# Altium PCB PCB-ZB206B-0B.PcbDoc (part 1 of 7)
Units mm, origin at the board's own origin, x right, y up, seen from the top; angles counter-clockwise.
Board outline 366.51 x 137.86 mm, 2 copper layers (Top Layer, Bottom Layer); 583 components, 415 nets, 1779 pads, 4554 vias.
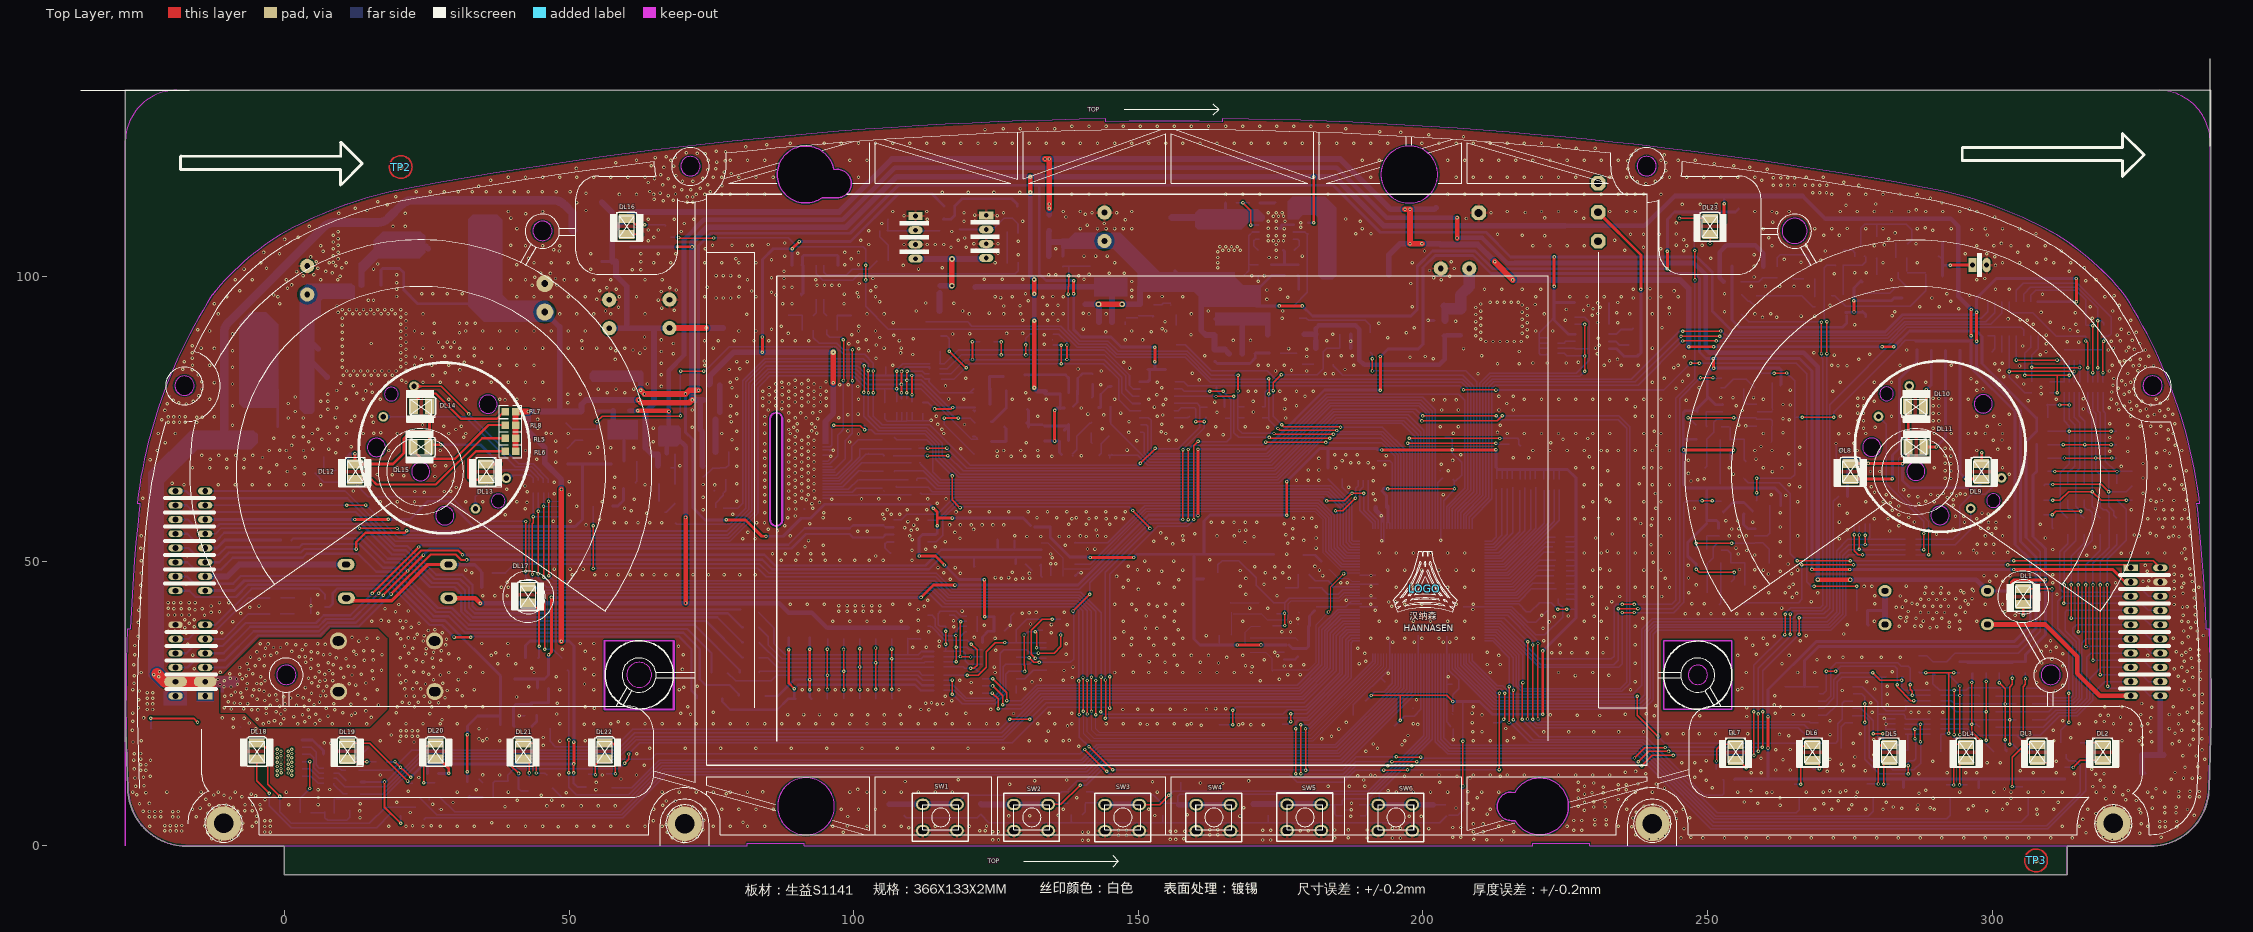
[diagram p0: Top Layer view]
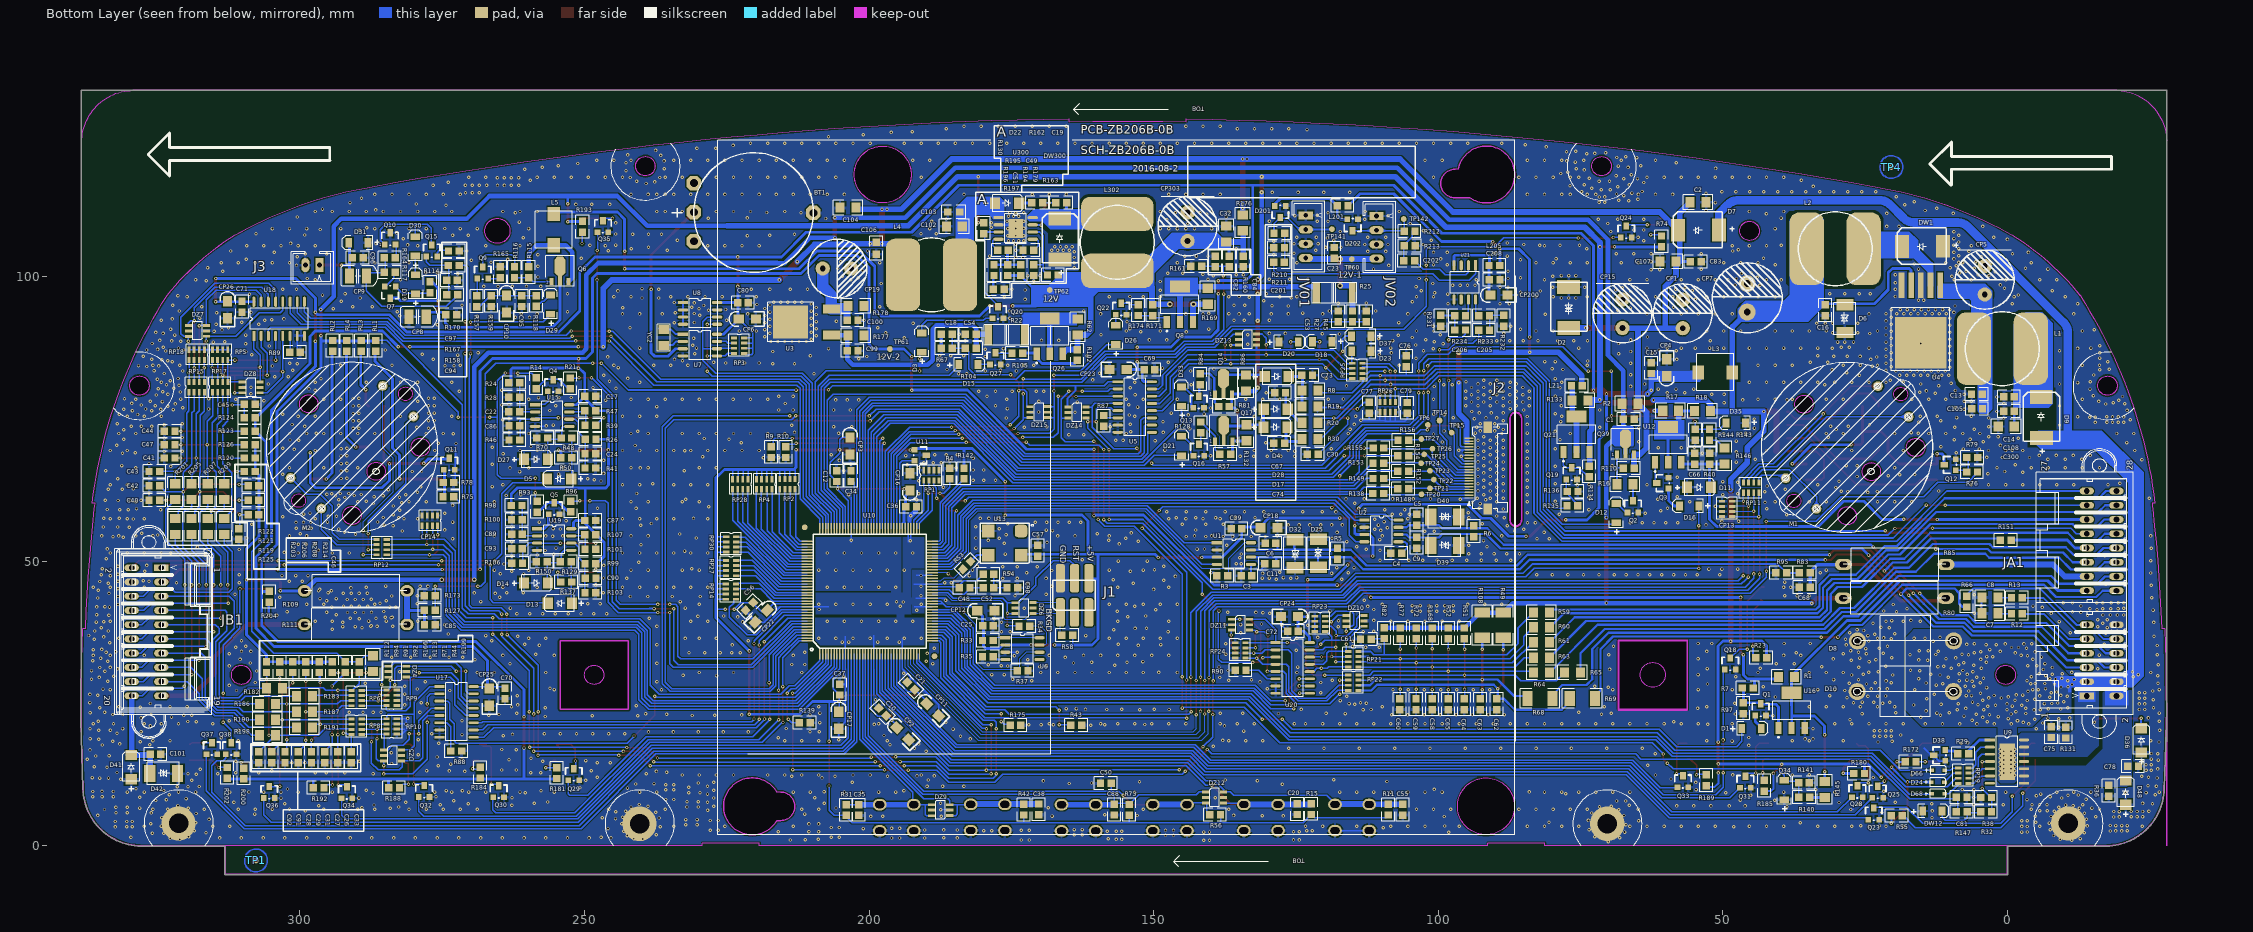
[diagram p1: Bottom Layer view, seen from below]

## Layer stack, top to bottom
Top Layer: signal copper 0.0356
Dielectric: dielectric 0.32, FR-4, Dk 4.8
Bottom Layer: signal copper 0.0356

## Board outline
-0.064,-5 -0.064,-0.064 -17.393,-0.064 cw(c-17.397,0) -17.398,-0.064 cw(c-17.223,10.269) -27.555,10.038 cw(c-27.491,10.045) -27.555,10.042 cw(c287.468,25.282) -27.886,20.433 -27.886,18.41 cw(c-27.95,18.41) -28.014,18.41 -28.014,132.737 cw(c-27.95,132.737) -27.95,132.8 338.32,132.8 cw(c338.32,132.737) 338.384,132.737 338.384,33.56 cw(c23.102,25.282) 338.493,25.282 cw(c23.102,25.282) 338.124,10.048 cw(c338.061,10.045) 338.124,10.045 cw(c338.061,10.045) 338.124,10.044 cw(c327.792,10.269) 327.967,-0.064 cw(c327.966,0) 327.963,-0.064 313.194,-0.064 313.194,-4.972 cw(c313.136,-5) 313.2,-5 cw(c313.136,-5) 313.136,-5.064 0.006,-5.064 cw(c0.006,-5) 0.003,-5.064 cw(c0,-5)
cut-out: 242.285,24.005 242.285,36 254.285,36 254.285,24
cut-out: 237.615,119.427 ccw(c239.315,119.427) 239.315,117.727 ccw(c239.315,119.427) 241.015,119.427 ccw(c239.315,119.427) 239.315,121.127 ccw(c239.315,119.427)
cut-out: 192.608,117.954 ccw(c197.608,117.954) 197.608,112.954 ccw(c197.608,117.954) 202.608,117.954 ccw(c197.608,117.954) 197.608,122.954 ccw(c197.608,117.954)
cut-out: 263.115,108.05 ccw(c265.315,108.05) 265.315,105.85 ccw(c265.315,108.05) 267.515,108.05 ccw(c265.315,108.05) 265.315,110.25 ccw(c265.315,108.05)
cut-out: 326.509,80.865 ccw(c328.209,80.865) 328.209,79.165 ccw(c328.209,80.865) 329.909,80.865 ccw(c328.209,80.865) 328.209,82.565 ccw(c328.209,80.865)
cut-out: 308.615,30.05 ccw(c310.315,30.05) 310.315,28.35 ccw(c310.315,30.05) 312.015,30.05 ccw(c310.315,30.05) 310.315,31.75 ccw(c310.315,30.05)
cut-out: 246.615,30.05 ccw(c248.315,30.05) 248.315,28.35 ccw(c248.315,30.05) 250.015,30.05 ccw(c248.315,30.05) 248.315,31.75 ccw(c248.315,30.05)
cut-out: 56.173,23.99 56.173,36 cw(c56.3,36) 56.307,36.127 cw(c56.315,36) 56.315,36.127 68.315,36.127 cw(c68.315,36) 68.393,36.101 cw(c68.33,35.99) 68.457,35.99 68.457,24.04 cw(c68.33,24.04) 68.44,23.976 cw(c68.315,24) 68.315,23.873 56.349,23.873 cw(c56.3,23.99)
cut-out: 215.565,4.454 cw(c215.565,6.954) 215.565,9.454 216.235,9.454 cw(c220.565,6.954) 216.235,4.454
cut-out: 86.608,6.954 ccw(c91.608,6.954) 91.608,1.954 ccw(c91.608,6.954) 96.608,6.954 ccw(c91.608,6.954) 91.608,11.954 ccw(c91.608,6.954)
cut-out: -1.386,30.05 ccw(c0.314,30.05) 0.314,28.35 ccw(c0.314,30.05) 2.014,30.05 ccw(c0.314,30.05) 0.314,31.75 ccw(c0.314,30.05)
cut-out: -19.28,80.865 ccw(c-17.58,80.865) -17.58,79.165 ccw(c-17.58,80.865) -15.88,80.865 ccw(c-17.58,80.865) -17.58,82.565 ccw(c-17.58,80.865)
cut-out: 69.615,119.427 ccw(c71.315,119.427) 71.315,117.727 ccw(c71.315,119.427) 73.015,119.427 ccw(c71.315,119.427) 71.315,121.127 ccw(c71.315,119.427)
cut-out: 43.615,108.05 ccw(c45.315,108.05) 45.315,106.35 ccw(c45.315,108.05) 47.015,108.05 ccw(c45.315,108.05) 45.315,109.75 ccw(c45.315,108.05)
cut-out: 94.448,113.869 cw(c91.565,117.954) 96.48,118.869 97.065,118.869 cw(c97.065,116.369) 97.065,113.869
cut-out: 22.311,65.761 ccw(c23.911,65.761) 23.911,64.161 ccw(c23.911,65.761) 25.511,65.761 ccw(c23.911,65.761) 23.911,67.361 ccw(c23.911,65.761)
cut-out: 26.553,57.997 ccw(c28.153,57.997) 28.153,56.397 ccw(c28.153,57.997) 29.753,57.997 ccw(c28.153,57.997) 28.153,59.597 ccw(c28.153,57.997)
cut-out: 36.339,60.605 ccw(c37.539,60.605) 37.539,59.405 ccw(c37.539,60.605) 38.739,60.605 ccw(c37.539,60.605) 37.539,61.805 ccw(c37.539,60.605)
cut-out: 14.547,70.004 ccw(c16.147,70.004) 16.147,68.404 ccw(c16.147,70.004) 17.747,70.004 ccw(c16.147,70.004) 16.147,71.604 ccw(c16.147,70.004)
cut-out: 17.558,79.386 ccw(c18.758,79.386) 18.758,78.186 ccw(c18.758,79.386) 19.958,79.386 ccw(c18.758,79.386) 18.758,80.586 ccw(c18.758,79.386)
cut-out: 34.155,77.605 ccw(c35.755,77.605) 35.755,76.005 ccw(c35.755,77.605) 37.355,77.605 ccw(c35.755,77.605) 35.755,79.205 ccw(c35.755,77.605)
cut-out: 85.243,57.26 85.243,75.17 cw(c85.37,75.17) 85.253,75.219 cw(c86.37,75.07) 87.487,75.22 cw(c87.37,75.17) 87.498,75.17 87.518,57.17 cw(c87.39,57.17) 87.518,57.17 cw(c87.39,57.17) 87.504,57.112 cw(c86.381,57.229) 85.253,57.21 cw(c85.37,57.26)
cut-out: 285.011,65.811 ccw(c286.611,65.811) 286.611,64.211 ccw(c286.611,65.811) 288.211,65.811 ccw(c286.611,65.811) 286.611,67.411 ccw(c286.611,65.811)
cut-out: 289.253,58.047 ccw(c290.853,58.047) 290.853,56.447 ccw(c290.853,58.047) 292.453,58.047 ccw(c290.853,58.047) 290.853,59.647 ccw(c290.853,58.047)
cut-out: 299.039,60.655 ccw(c300.239,60.655) 300.239,59.455 ccw(c300.239,60.655) 301.439,60.655 ccw(c300.239,60.655) 300.239,61.855 ccw(c300.239,60.655)
cut-out: 296.855,77.655 ccw(c298.455,77.655) 298.455,76.055 ccw(c298.455,77.655) 300.055,77.655 ccw(c298.455,77.655) 298.455,79.255 ccw(c298.455,77.655)
cut-out: 280.258,79.436 ccw(c281.458,79.436) 281.458,78.236 ccw(c281.458,79.436) 282.658,79.436 ccw(c281.458,79.436) 281.458,80.636 ccw(c281.458,79.436)
cut-out: 277.247,70.054 ccw(c278.847,70.054) 278.847,68.454 ccw(c278.847,70.054) 280.447,70.054 ccw(c278.847,70.054) 278.847,71.654 ccw(c278.847,70.054)

## Design rules (kind name [scope] priority, off if disabled: settings)
Clearance POWCOM [InComponent('L3','D9','L1','CP5','DW1','L2','CP7','L4','L302','CP303')] p1: gap=0.508
Clearance [All] p2: gap=0.25
FabricationTestPointUsage TestPointUsage [All] p1 off: valid=0 allowmultiple=FALSE
FabricationTestpoint Testpoint [(IsPad And (OnTopLayer Or OnBottomLayer))] p1: side=3 testpointundercomponent=TRUE minsize=1.016 maxsize=2.54 preferedsize=1.524 minholesize=0 maxholesize=1.016 preferedholesize=0.813 testpointgrid=0.025 allowsidetop=TRUE allowsidebottom=TRUE usegrid=TRUE gridtolerance=0
HoleSize [All] p1: absolutevalues=TRUE maxlimit=5 minlimit=0.254 maxpercent=80.000 minpercent=20.000
PlaneConnect [All] p1: planeconnectstyle=Direct reliefexpansion=0.508 reliefentries=4 reliefconductorwidth=0.254 reliefairgap=0.254
PolygonConnect PolygonConnect_1 [InComponent('U300','DW300','DW1','U4','JA1','JB1','CP7','U3','J1','J2','U9','D8','D10')OR InNet('OUT1') OR InNet('OUT2')OR InNet('+B')] p1: connectstyle=Direct reliefconductorwidth=0.254 reliefentries=4 polygonreliefangle="90 Angle"
PolygonConnect VIA [IsVia] p2: connectstyle=Direct reliefconductorwidth=0.4 reliefentries=4 polygonreliefangle="90 Angle"
PolygonConnect [All] p3: connectstyle=Relief reliefconductorwidth=0.5 reliefentries=4 polygonreliefangle="90 Angle"
RoutingVias [All] p1: holewidth=0.3 width=0.6 viastyle="Through Hole" minholewidth=0.3 minwidth=0.6 maxholewidth=0.6 maxwidth=1
SilkscreenOverComponentPads [IsPad] p1: minsilkscreentomaskgap=0.254
SolderMaskExpansion [All] p1: expansion=0.102
Width [All] p1: maxlimit=3 minlimit=0.2 preferedwidth=0.2
23 further rules are at their usual default settings.

## Components (designator, comment, footprint, x,y, rotation, side; value= is the part's Value field where it differs from the comment)
BT1 "" "Battery 3" 230.8,111.33 r180 bottom
C1 "104/50V" CR0805#1 67.49,74.93 r180 bottom
C2 "0.22uF/100V" CR1206 52.94,113.08 r0 bottom
C3 "47/50V" CR0805#1 132.74,47.44 r0 bottom
C4 "47/50V" CR0805#1 106.426,51.435 r0 bottom
C5 "47/50V" CR0805#1 103.81,58.256 r270 bottom
C6 "47/50V" CR0805#1 130.43,53.18 r180 bottom
C7 "684/50V" CR1206 1.66,40.87 r0 bottom
C8 "684/50V" CR1206 1.67,43.62 r0 bottom
C9 "47/50V" CR0805#1 103.81,52.297 r90 bottom
C10 "104/50V" CR0805#1 196.98,22.88 r45 bottom
C11 "47/50V" CR0805#1 130.46,49.58 r180 bottom
C12 "104/50V" CR0805#1 205.69,64.03 r90 bottom
C13 "0.01uF/100V" CR0805#1 6.32,79.36 r180 bottom
C14 "0.01uF/100V" CR0805#1 0.67,78.91 r180 bottom
C15 "104/50V" CR0805#1 62.56,83 r90 bottom
C16 "104/50V" CR0805#1 32.01,93.17 r90 bottom
C17 "104" CR0805#1 248.03,78.98 r0 bottom
C18 "0.1uF/50V" CR0805#1 187.291,89.916 r180 bottom
C19 "0.1uF/50V" CR0805#1 165.29,112.98 r0 bottom
C20 "102/50V" CR0805#1 124.8,5.51 r90 bottom
C21 "104/50V" CR0805#1 193.32,28.77 r225 bottom
C22 "103/50V" CR0805#1 261.39,76.31 r0 bottom
C23 "0.1uF/50V" CR0805#1 118.28,103.23 r90 bottom
C24 "103/50V" CR0805#1 249.91,68.93 r180 bottom
C25 "104/50V" CR0805#1 180.06,38.65 r180 bottom
C26 "0.01uF/100V" CR0805#1 293.33,16.51 r270 bottom
C27 "0.01uF/100V" CR0805#1 295.652,16.51 r270 bottom
C28 "0.01uF/100V" CR0805#1 302.619,16.51 r270 bottom
C29 "0.01uF/100V" CR0805#1 300.297,16.51 r270 bottom
C30 "0.01uF/100V" CR0805#1 121.12,68.84 r0 bottom
C31 "0.01uF/100V" CR0805#1 297.975,16.51 r270 bottom
C32 "0.22uF/100V" CR1206 137.25,108.89 r270 bottom
C33 "0.01uF/100V" CR0805#1 291.008,16.51 r270 bottom
C34 "104/50V" CR0805#1 203.18,64.03 r90 bottom
C35 "102/50V" CR0805#1 201.8,5.35 r90 bottom
C36 "104/50V" CR0805#1 193.574,59.561 r180 bottom
C37 "104/50V" CR0805#1 205.18,26.52 r90 bottom
C38 "102/50V" CR0805#1 170.21,7.36 r270 bottom
C39 "104/50V" CR0805#1 136.4,55.73 r180 bottom
C40 "0.01uF/100V" CR0805#1 324.612,60.706 r0 bottom
C41 "0.01uF/100V" CR0805#1 321.945,68.148 r0 bottom
C42 "0.01uF/100V" CR0805#1 324.612,63.246 r0 bottom
C43 "0.01uF/100V" CR0805#1 324.612,65.786 r0 bottom
C44 "0.01uF/100V" CR0805#1 321.945,72.873 r0 bottom
C45 "0.01uF/100V" CR0805#1 309.753,77.597 r180 bottom
C46 "0.01uF/100V" CR0805#1 310.769,55.753 r270 bottom
C47 "0.01uF/100V" CR0805#1 321.945,70.51 r0 bottom
C48 "102/50V/NC" CR0805#1 184.18,45.36 r180 bottom
C49 "0.1uF/50V" CR0805#1 172.969,104.648 r180 bottom
C50 "102/50V" CR0805#1 159.35,11 r180 bottom
C51 "100pF/50V" CR0805#1 175.675,102.108 r270 bottom
C52 "104/50V" CR0805#1 179.98,45.36 r180 bottom
C53 "0.1uF/50V" CR0805#1 117.602,93.975 r270 bottom
C54 "0.1uF/50V" CR0805#1 181.201,89.916 r0 bottom
C55 "102/50V" CR0805#1 106.26,5.41 r90 bottom
C56 "104/50V" CR0805#1 220.37,42.76 r315 bottom
C57 "104/50V" CR0805#1 170.39,50.92 r90 bottom
C58 "0.01uF/100V" CR0805#1 101.086,25.83 r270 bottom
C59 "0.01uF/100V" CR0805#1 103.917,25.83 r270 bottom
C60 "0.01uF/100V" CR0805#1 106.749,25.83 r270 bottom
C61 "0.01uF/100V" CR0805#1 111.765,36.322 r0 bottom
C62 "0.01uF/100V" CR0805#1 89.76,25.83 r270 bottom
C63 "0.01uF/100V" CR0805#1 92.591,25.83 r270 bottom
C64 "0.01uF/100V" CR0805#1 95.423,25.83 r270 bottom
C65 "0.01uF/100V" CR0805#1 98.254,25.83 r270 bottom
C66 "0.01uF/100V" CR0805#1 54.97,67.08 r90 bottom
C67 "0.01uF/100V" CR0805#1 128.75,79.61 r180 bottom
C68 "0.01uF/100V" CR0805#1 34.65,45.46 r0 bottom
C69 "104/50V" CR0805#1 149.79,83.69 r0 bottom
C70 "104/50V" CR0805#1 263.97,25.83 r90 bottom
C71 "104/50V" CR0805#1 310.17,93.79 r90 bottom
C72 "104/50V" CR0805#1 126.48,37.71 r180 bottom
C73 "0.01uF/100V" CR0805#1 122.09,82.69 r0 bottom
C74 "0.01uF/100V" CR0805#1 126.98,70.76 r0 bottom
C75 "0.01uF/100V" CR0805#1 -7.7,20.94 r270 bottom
C76 "0.01uF/100V" CR0805#1 105.61,84.2 r90 bottom
C77 "0.01uF/100V" CR0805#1 112.13,77.92 r270 bottom
C78 "0.01uF/100V" CR0805#1 -21.12,13.97 r180 bottom
C79 "0.01uF/100V" CR0805#1 105.47,77.9 r270 bottom
C80 "104/50V" CR0805#1 223.109,95.425 r180 bottom
C81 "100pF/50V" CR0805#1 9,8.52 r180 bottom
C82 "0.1uF/50V" CR0805#1 139.192,103.627 r270 bottom
C83 "0.01uF/100V" CR0805#1 53.82,102.65 r0 bottom
C84 "0.1uF/50V" CR0805#1 134.239,101.727 r90 bottom
C85 "0.01uF/100V" CR0805#1 278.12,38.87 r180 bottom
C86 "0.022uF/50V" CR0805#1 263.27,73.81 r180 bottom
C87 "104" CR0805#1 248.06,57.17 r0 bottom
C88 "102/50V" CR0805#1 156.9,5.42 r90 bottom
C89 "103/50V" CR0805#1 260.91,54.76 r0 bottom
C90 "103/50V" CR0805#1 249.88,47.05 r180 bottom
C91 "0.01uF/100V" CR0805#1 304.942,16.51 r270 bottom
C92 "0.01uF/100V" CR0805#1 307.264,16.51 r270 bottom
C93 "0.022uF/50V" CR0805#1 262.82,52.22 r180 bottom
C94 "104/50V" CR0805#1 272.47,93.32 r0 bottom
C95 "102/50V / NC" CR0805#1 261.02,94.76 r90 bottom
C96 "101/50V" CR0805#1 288.89,103.33 r0 bottom
C97 "104/50V" CR0805#1 273.92,101.98 r180 bottom
C98 "104/50V/NC" CR0805#1 175.78,45.36 r180 bottom
C99 "0.1uF/50V/NC" CR0805#1 201.958,86.995 r0 bottom
C100 "0.1uF/50V/NC" CR0805#1 203.858,92.329 r180 bottom
C101 "0.01uF/100V" CR0805#1 324.42,16.11 r0 bottom
C102 "0.22uF/100V" CR1206 186.436,108.839 r180 bottom
C103 "0.01uF/100V" CR0805#2 186.182,111.379 r180 bottom
C104 "0.22uF/100V" CR1206 205.111,112.141 r180 bottom
C105 "0.01uF/100V" CR0805#1 6.28,76.78 r180 bottom
C106 "0.01uF/100V" CR0805#2 198.755,103.945 r90 bottom
C107 "0.22uF/100V" CR1206 61.05,102.66 r180 bottom
C108 "0.01uF/100V" CR0805#1 0.67,76.36 r180 bottom
C201 "0.1uF/50V" CR0805#1 127.04,102.55 r0 bottom
C202 "0.1uF/50V" CR0805#1 106.06,102.84 r180 bottom
C205 "0.1uF/50V" CR0805#1 91,90.63 r0 bottom
C206 "0.1uF/50V" CR0805#1 97.12,90.64 r180 bottom
C208 "0.1uF/50V" CR0805#1 91.06,99.46 r180 bottom
C300 "0.22uF/100V" CR1206 1.61,73.68 r180 bottom
CP1 "100uF/50V" RB10 57,93.98 r90 bottom
CP2 "10u/16V" CE1206 195.13,20.79 r225 bottom
CP3 "10u/16V" CE1206 203.38,71.77 r270 bottom
CP4 "10u/16V" CE1206 59.86,82.52 r90 bottom
CP5 "100uF/50V" RB5-1 3.98,96.88 r90 bottom
CP6 "10u/16V" CE1206 222.889,92.585 r180 bottom
CP7 "2200u/16V" RB12.5 45.75,93.84 r90 bottom
CP8 "47u/25V" 10uF/25V 277.81,92.98 r0 bottom
CP9 "47u/25V" 10uF/25V 288.31,100.12 r0 bottom
CP10 "10u/16V" CE1206 263.69,96.72 r270 bottom
CP11 "10u/16V" CE1206 189.88,24.96 r225 bottom
CP12 "10u/16V" CE1206 180.98,41.31 r180 bottom
CP13 "0.01U" C4 50.15,60.55 r180 bottom
CP14 "0.01U" C4 275.83,58.04 r270 bottom
CP15 "100uF/50V" RB5-1 67.64,90.98 r90 bottom
CP16 "10u/16V" CE1206 192.786,62.457 r90 bottom
CP17 "10u/16V" CE1206 205.34,23.58 r270 bottom
CP18 "10u/16V" CE1206 131.24,55.9 r180 bottom
CP19 "100uF/50V/NC" RB5-1 208.153,101.442 r180 bottom
CP22 "10u/16V" CE1206 217.92,41.41 r315 bottom
CP23 "10u/16V" CE1206 154.75,83.72 r0 bottom
CP24 "10u/16V" CE1206 124.63,40.28 r0 bottom
CP25 "10u/16V" CE1206 266.73,27.64 r270 bottom
CP26 "10u/16V" CE1206 312.73,95.7 r270 bottom
CP200 "10u/16V" CE1206 90.83,96.79 r180 bottom
CP303 "100uF/50V" RB5-1 144.05,106.27 r90 bottom
D1 "BAV103" SOD-80C#1 43.27,20.65 r0 bottom
D2 "SMDJ36CA" SMC-D 77.08,91 r270 bottom
D3 "BAV103" SOD-80C#1 190.754,90.141 r270 bottom
D4 "SK16" SMA 130.5,82.47 r0 bottom
D5 "GN1J" SMA 252.35,64.47 r180 bottom
D6 "SMBJ5.0CA" SMB-D 28.58,95.15 r0 bottom
D7 "GN3D" SMC 50.69,108.2 r180 bottom
D8 "5KP36CA" D-17 17.92,36.07 r180 bottom
D9 "GN3D" SMC -5.96,71.67 r270 bottom
D10 "5KP36CA" D-17 17.96,27.18 r180 bottom
D11 "GROJA" SMA 56.311,62.992 r0 bottom
D12 "BAV103" SOD-80C#1 68.73,60.16 r270 bottom
D13 "GN1J" SMA 252.21,42.61 r180 bottom
D14 "GN1J" SMA 260.64,46.18 r0 bottom
D15 "BAV103" SOD-80C#1 180.848,84.582 r0 bottom
D16 "BAV103" SOD-80C#1 57.64,59.69 r180 bottom
D17 "SK16" SMA 130.71,73.57 r0 bottom
D18 "5V1/0.5W" SOD-80C#1 122.12,88.57 r180 bottom
D19 "BAV103" SOD-80C#1 279.72,100.36 r270 bottom
D20 "5V1/0.5W" SOD-80C#1 124.6,88.56 r0 bottom
D21 "BAV103" SOD-80C#1 145.08,71.96 r270 bottom
D22 "GN1J/NC" SMA 177.87,112.92 r0 bottom
D23 "5V1/0.5W" SOD-80C#1 115.21,86.9 r180 bottom
D24 "BAP50-03" SOD323 13.36,11.21 r180 bottom
D25 "SMBJ36CA" SMB-D 121.06,53.9 r0 bottom
D26 "BAV103" SOD-80C#1 156.67,91.465 r270 bottom
D27 "GN1J" SMA 260.64,67.91 r0 bottom
D28 "SK16" SMA 130.68,76.74 r0 bottom
D29 "BAV103" SOD-80C#1 255.97,96.8 r270 bottom
D30 "BAV103" SOD-80C#1 279.74,107.03 r270 bottom
D31 "BAV103" SOD-80C#1 291.42,105.96 r180 bottom
D32 "SMBJ36CA" SMB-D 125.17,48.84 r180 bottom
D33 "BAV103" SOD-80C#1 145.1,80.65 r270 bottom
D34 "5V1/0.5W" SOD-80C#2 39.22,11.52 r270 bottom
D35 "5V1/0.5W" SOD-80C#2 49.43,74.31 r180 bottom
D36 "GROJA" SMA -23.54,16.43 r270 bottom
D37 "5V1/0.5W" SOD-80C#1 115.23,89.54 r180 bottom
D38 "BAV70" SOT23 10.94,14.95 r90 bottom
D39 "SMBJ36CA" SMB-D 96.378,52.753 r90 bottom
D40 "SMBJ36CA" SMB-D 96.378,57.809 r90 bottom
D41 "GROJA" SMA 329.66,11.71 r270 bottom
D42 "5KP36CA" SMB-D 321.47,12.7 r90 bottom
D48 "GROJA" SMA -20.78,7.23 r270 bottom
D66 "BAP50-03" SOD323 13.29,13.28 r180 bottom
D68 "BAP50-03" SOD323 13.34,9.15 r180 bottom
D201 "BAV99" SOT23 126.82,112.44 r0 bottom
D202 "BAV99" SOT23 114.09,110.11 r0 bottom
DL1 "" LED1210 305.492,45.207 r270 top locked
DL2 "" LED1210 319.472,17.817 r270 top locked
DL3 "" LED1210 307.972,17.817 r270 top locked
DL4 "" LED1210 295.472,17.817 r270 top locked
DL5 "" LED1210 281.972,17.817 r270 top locked
DL6 "" LED1210 268.462,17.817 r270 top locked
DL7 "" LED1210 254.942,17.817 r270 top locked
DL8 "LED" LED1210 275.102,67.177 r270 top locked
DL9 "LED" LED1210 298.142,67.177 r270 top locked
DL10 "LED" LED1210 285.134,77.235 r0 top locked
DL11 "LED" LED1210 285.262,70.077 r0 top locked
DL12 "LED" LED1210 12.362,67.127 r270 top locked
DL13 "LED" LED1210 35.332,67.127 r270 top locked
DL14 "LED" LED1210 25.452,77.237 r180 top locked
DL15 "LED" LED1210 25.372,70.077 r180 top locked
DL16 "" LED1210 60.122,110.237 r270 top locked
DL17 "" LED1210 42.722,45.487 r270 top locked
DL18 "" LED1210 -4.868,18.047 r270 top locked
DL19 "" LED1210 11.022,18.027 r270 top locked
DL20 "" LED1210 26.592,18.057 r270 top locked
DL21 "" LED1210 41.912,18.047 r270 top locked
DL22 "" LED1210 56.242,18.047 r270 top locked
DL23 "" LED1210 250.462,110.237 r270 top locked
DW1 "SK38" SMC 11.32,105.34 r180 bottom
DW12 "5.1V/0.5W" SOD-80C#1 11.47,6.13 r0 bottom
DW300 "SK38" SMC 166.46,103.02 r270 bottom locked
DZ4 "BZA456G" SOT-457 281.32,29.65 r90 bottom
DZ5 "BZA456G" SOT-457 285.29,16.84 r270 bottom
DZ6 "BZA456G" SOT-457 174.35,42.73 r270 bottom
DZ7 "BZA456G" SOT-457 316.43,89.53 r90 bottom
DZ8 "BZA456G" SOT-457 310.16,81.52 r270 bottom
DZ9 "BZA456G" SOT-457 185.84,5.32 r90 bottom
DZ10 "BZA456G" SOT-457 113.02,38.58 r90 bottom
DZ11 "BZA456G" SOT-457 136.34,39.82 r270 bottom
DZ12 "BZA456G" SOT-457 140.9,9.46 r270 bottom
DZ13 "BZA456G" SOT-457 135.1,89.93 r270 bottom
DZ14 "BZA456G" SOT-457 165.05,77.12 r270 bottom
DZ15 "BZA456G" SOT-457 171.76,77.16 r270 bottom
J1 "CON6" "DIP 2X3 2.54mm" 166.4,42.77 r90 bottom
J2 "22PIN_0.5PTICH" FPC-22P 92.937,66.37 r90 bottom
J3 "CON2" "DIP 1X2 2.5mm" 296.547,102.044 r0 bottom locked
JA1 "CON28" "AMP DIP28" -5.098,26.117 r90 bottom locked
JB1 "CON20" "AMP DIP20" 324.361,48.867 r270 bottom locked
JV01 "CON4" "DIP 1X4 2.5mm" 123.27,110.79 r270 bottom locked
JV02 "CON4" "DIP 1X4 2.5mm" 110.85,110.67 r270 bottom
L1 "100uH/0.5Ω" Ind-R13-7-100 -4.1,87.36 r0 bottom
L2 "100uH/0.5Ω" Ind-R13-7-100 25.25,104.91 r0 bottom
L3 "22uH/0.2Ω" SS0603 51.33,83.05 r0 bottom
L4 "33uH" Ind-R13-7-100 194.023,100.33 r180 bottom
L5 "22uH" Ind-Q07-3-022 255.4,105.52 r90 bottom
L21 "BEAT" CR0805#1 76.6,80.84 r180 bottom
L201 "BEAT" CR0805#1 115.86,112.45 r0 bottom
L205 "BEAT" CR0805#1 89.18,101.97 r0 bottom